# Altium PCB micro-ltc-pvt1g.PcbDoc (part 2 of 4)
Units mm, origin at the board's own origin, x right, y up, seen from the top; angles counter-clockwise.
Board outline 75.2 x 35.65 mm, 4 copper layers (Top, L2, L3, Bottom), stack 0.692 mm thick; 80 components, 47 nets, 716 pads, 100 vias.
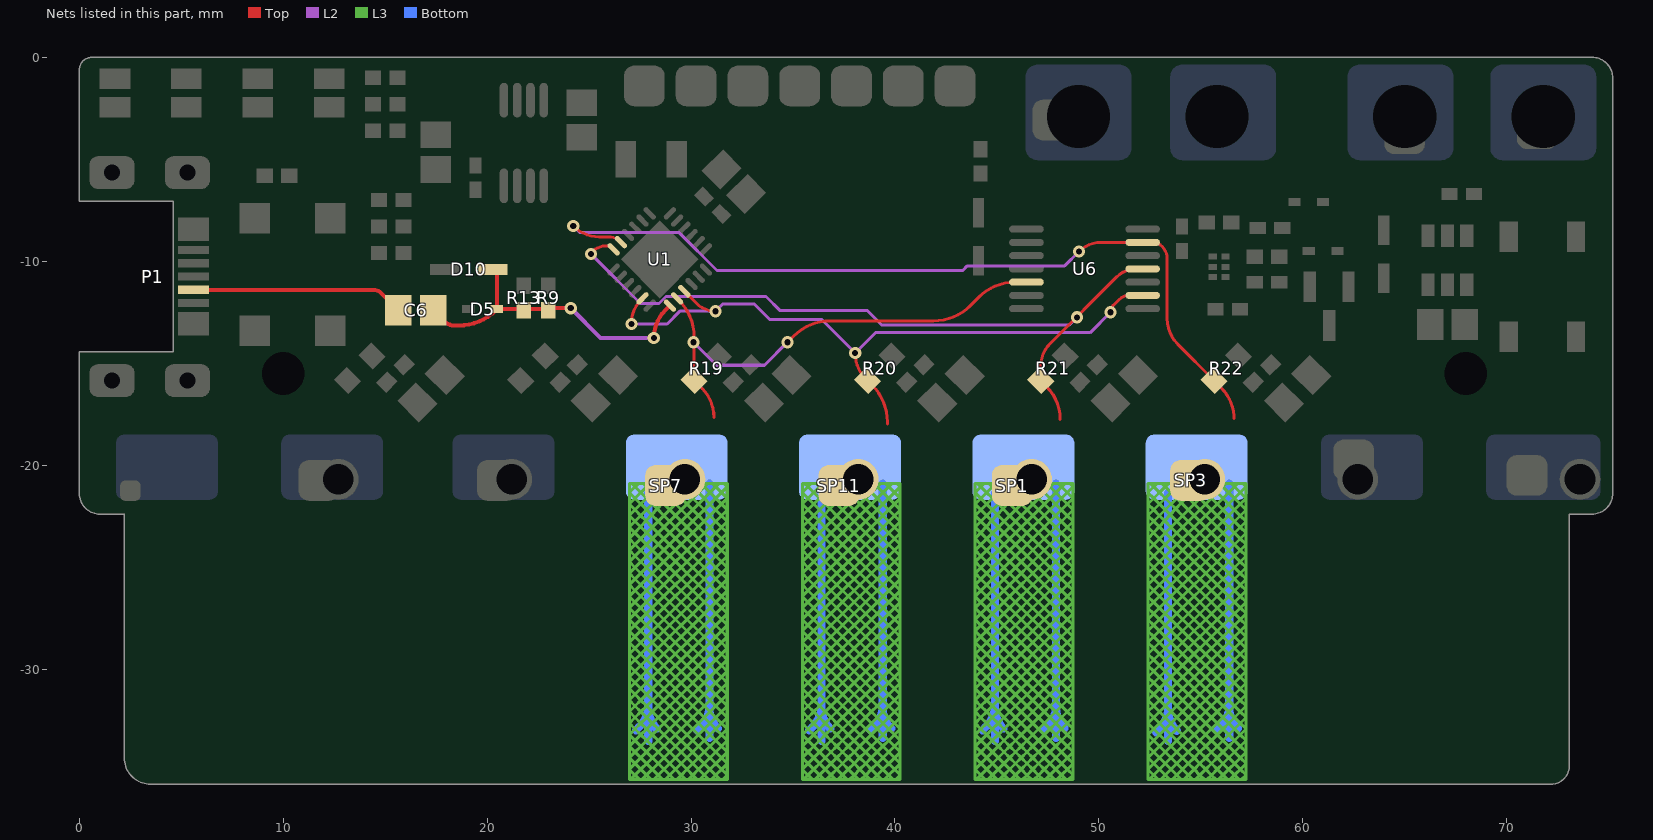
[diagram p4: the nets of this part, all layers, seen from the top]

## Via types
v1: diameter 0.6, hole 0.3, Top to Bottom, tented both sides, 82 vias
v2: diameter 1, hole 0.5, Top to Bottom, tented both sides, 14 vias
v3: diameter 0.5, hole 0.25, Top to Bottom, 4 vias

## Nets (pads, with @x,y where several pads share a name; then routed paths per layer and width w, separated by ;. In a path a pad name is that pad's centre, name@x,y a point inside that pad or via, vN(x,y) a via of type N, cw(c..) or ccw(c..) an arc to the next point about the centre after c; other vN are vias at no path point) (continued)
ANA2: pad.0@29.3,-20.1 pad.0@29.7,-20.7 R19.1 SP7.1 U1.20 U6.5 | length 448.4
  Top w0.15: U1.20@29.317,-11.822 29.405,-11.91 cw(c27.609,-13.706) 30.149,-13.706 R19.1@30.149,-15.851 30.543,-16.245 ; 30.544,-16.246 cw(c29.138,-17.65) 31.125,-17.65 ; v1(34.725,-13.975) 35.031,-13.669 ; 35.031,-13.669 cw(c36.827,-15.465) 36.827,-12.925 41.898,-12.925 ccw(c41.898,-10.385) 43.694,-12.181 44.106,-11.769 cw(c45.902,-13.565) 45.902,-11.025 U6.5@46.45,-11.025
  L2 w0.15: v1(30.125,-13.975) 31.25,-15.1 33.6,-15.1 v1(34.725,-13.975)
  L3 w0.15: 26.977,-34.924 27.463,-35.41 ; 26.977,-34.915 28.104,-33.788 ; 26.977,-34.358 28.028,-35.41 ; 26.977,-34.349 27.821,-33.505 ; 26.977,-33.792 28.594,-35.41 ; 26.977,-33.784 27.538,-33.222 ; 26.977,-33.227 29.16,-35.41 ; 26.977,-33.218 27.255,-32.939 ; 26.977,-32.661 27.255,-32.939 ; 26.977,-32.652 27.255,-32.374 ; 26.977,-32.095 27.255,-32.374 ; 26.977,-32.087 27.255,-31.808 ; 26.977,-31.53 27.255,-31.808 ; 26.977,-31.521 27.255,-31.242 ; 26.977,-30.955 31.777,-26.155 ; 26.977,-30.398 27.255,-30.677 31.498,-34.919 31.777,-35.198 ; 26.977,-30.39 31.777,-25.59 ; 26.977,-29.833 27.255,-30.111 31.498,-34.354 31.777,-34.633 ; 26.977,-29.824 31.777,-25.024 ; 26.977,-29.267 27.255,-29.545 31.498,-33.788 31.777,-34.067 ; 26.977,-29.258 31.777,-24.458 ; 26.977,-28.701 27.255,-28.98 31.498,-33.222 31.777,-33.501 ; 26.977,-28.692 31.777,-23.892 ; 26.977,-28.135 27.255,-28.414 31.498,-32.657 31.777,-32.935 ; 26.977,-28.127 31.777,-23.327 ; 26.977,-27.57 27.255,-27.848 31.498,-32.091 31.777,-32.37 ; 26.977,-27.561 31.777,-22.761 ; 26.977,-27.004 27.255,-27.283 31.498,-31.525 31.777,-31.804 ; 26.977,-26.995 31.777,-22.195 ; 26.977,-26.438 27.255,-26.717 31.498,-30.96 31.777,-31.238 ; 26.977,-26.43 31.777,-21.63 ; 26.977,-25.873 27.255,-26.151 31.498,-30.394 31.777,-30.673 ; 26.977,-25.864 31.777,-21.064 ; 26.977,-25.307 27.255,-25.586 31.498,-29.828 31.777,-30.107 ; 26.977,-25.298 31.365,-20.91 ; 26.977,-24.741 27.255,-25.02 31.498,-29.262 31.777,-29.541 ; 26.977,-24.733 30.8,-20.91 ; 26.977,-24.176 27.255,-24.454 31.498,-28.697 31.777,-28.976 ; 26.977,-24.167 pad.0@30.234,-20.91 ; 26.977,-23.61 27.255,-23.889 31.498,-28.131 31.777,-28.41 ; 26.977,-23.601 27.246,-23.313 ; 26.977,-23.044 27.246,-23.313 ; 26.977,-23.036 pad.0@29.102,-20.91 ; 26.977,-22.479 27.255,-22.757 27.519,-23.021 ; 26.977,-22.47 28.537,-20.91 ; 26.977,-21.913 27.255,-22.191 27.538,-22.474 27.792,-22.728 ; 26.977,-21.904 27.971,-20.91 ; 26.977,-21.347 27.255,-21.626 27.821,-22.191 28.065,-22.436 ; 26.977,-21.339 27.405,-20.91 ; 27.047,-35.41 28.386,-34.071 ; 27.613,-35.41 28.669,-34.354 ; 28.179,-35.41 28.952,-34.636 ; 28.745,-35.41 29.235,-34.919 ; 29.31,-35.41 29.518,-35.202 ; pad.0@29.677,-20.71 pad.0@29.49,-20.91 ; 29.725,-35.41 29.518,-35.202 ; 29.876,-35.41 30.083,-35.202 ; 30.291,-35.41 30.083,-35.202 ; 30.442,-35.41 31.777,-34.075 ; 30.857,-35.41 30.366,-34.919 ; 31.007,-35.41 31.777,-34.64 ; 31.573,-35.41 31.777,-35.206 ; 31.777,-33.509 30.649,-34.636 ; 31.777,-32.943 30.366,-34.354 ; 31.777,-32.378 30.083,-34.071 ; 31.777,-31.812 29.801,-33.788 ; 31.777,-31.246 29.518,-33.505 ; 31.777,-30.681 29.235,-33.222 ; 31.777,-30.115 28.952,-32.939 ; 31.777,-29.549 28.669,-32.657 ; 31.777,-28.984 28.386,-32.374 ; 31.777,-28.418 28.104,-32.091 ; 31.777,-27.852 27.821,-31.808 ; 31.777,-27.844 31.498,-27.565 27.538,-23.606 27.246,-23.313 ; 31.777,-27.287 27.538,-31.525 ; 31.777,-27.279 31.498,-27 27.821,-23.323 27.519,-23.021 ; 31.777,-26.721 27.255,-31.242 ; 31.777,-26.713 31.498,-26.434 28.104,-23.04 27.792,-22.728 ; 31.777,-26.147 31.498,-25.868 28.386,-22.757 28.065,-22.436 ; 31.777,-25.582 31.498,-25.303 28.669,-22.474 28.338,-22.143 ; 31.777,-25.016 31.498,-24.737 28.952,-22.191 28.611,-21.851 ; 31.777,-24.45 31.498,-24.171 29.235,-21.909 28.884,-21.558 ; 31.777,-23.885 31.498,-23.606 29.518,-21.626 pad.0@29.158,-21.266 ; 31.777,-23.319 31.498,-23.04 29.801,-21.343 pad.0@29.431,-20.973 ; 31.777,-22.753 31.498,-22.474 30.084,-21.06 pad.0@29.933,-20.91 ; 31.777,-22.187 pad.0@30.499,-20.91 ; 31.777,-21.622 31.065,-20.91 ; 31.777,-21.056 31.63,-20.91 ; 27.105,-20.91 27.255,-21.06 28.104,-21.909 28.338,-22.143 ; 27.105,-20.91 27.405,-20.91 ; 27.105,-20.91 26.977,-20.91 26.977,-35.41 31.777,-35.41 31.777,-20.91 31.63,-20.91 ; 27.246,-23.313 27.519,-23.021 ; 27.255,-32.939 27.538,-33.222 ; 27.255,-32.939 27.538,-32.657 ; 27.255,-32.374 27.538,-32.657 ; 27.255,-32.374 27.538,-32.091 ; 27.255,-31.808 27.538,-32.091 ; 27.255,-31.808 27.538,-31.525 ; 27.255,-31.242 31.215,-35.202 31.422,-35.41 30.649,-34.636 ; 27.255,-31.242 26.977,-30.964 27.255,-31.242 ; 27.255,-31.242 27.538,-31.525 ; 27.405,-20.91 27.67,-20.91 ; 27.519,-23.021 27.792,-22.728 ; 27.538,-33.222 27.821,-32.939 ; 27.538,-33.222 27.821,-33.505 ; 27.538,-32.657 27.821,-32.939 ; 27.538,-32.657 27.821,-32.374 ; 27.538,-32.091 27.821,-32.374 ; 27.538,-32.091 27.821,-31.808 ; 27.538,-31.525 27.821,-31.808 ; 27.67,-20.91 27.821,-21.06 28.386,-21.626 28.611,-21.851 ; 27.67,-20.91 27.971,-20.91 ; 27.792,-22.728 28.065,-22.436 ; 27.821,-33.505 28.104,-33.222 ; 27.821,-33.505 28.104,-33.788 ; 27.821,-32.939 28.104,-32.657 ; 27.821,-32.939 28.104,-33.222 ; 27.821,-32.374 28.104,-32.657 ; 27.821,-32.374 28.104,-32.091 ; 27.821,-31.808 28.104,-32.091 ; 27.971,-20.91 28.236,-20.91 ; 28.065,-22.436 28.338,-22.143 ; 28.104,-33.788 28.386,-33.505 ; 28.104,-33.788 28.386,-34.071 ; 28.104,-33.222 28.386,-32.939 ; 28.104,-33.222 28.386,-33.505 ; 28.104,-32.657 28.386,-32.374 ; 28.104,-32.657 28.386,-32.939 ; 28.104,-32.091 28.386,-32.374 ; 28.236,-20.91 28.386,-21.06 28.669,-21.343 28.884,-21.558 ; 28.236,-20.91 28.537,-20.91 ; 28.338,-22.143 28.611,-21.851 ; 28.386,-34.071 28.669,-33.788 ; 28.386,-34.071 28.669,-34.354 ; 28.386,-33.505 28.669,-33.222 ; 28.386,-33.505 28.669,-33.788 ; 28.386,-32.939 28.669,-32.657 ; 28.386,-32.939 28.669,-33.222 ; 28.386,-32.374 28.669,-32.657 ; 28.537,-20.91 pad.0@28.802,-20.91 ; 28.611,-21.851 28.884,-21.558 ; 28.669,-34.354 28.952,-34.071 ; 28.669,-34.354 28.952,-34.636 ; 28.669,-33.788 28.952,-33.505 ; 28.669,-33.788 28.952,-34.071 ; 28.669,-33.222 28.952,-32.939 ; 28.669,-33.222 28.952,-33.505 ; 28.669,-32.657 28.952,-32.939 ; pad.0@28.802,-20.91 28.952,-21.06 29.146,-21.254 pad.0@29.158,-21.266 ; pad.0@28.802,-20.91 pad.0@29.102,-20.91 ; 28.884,-21.558 pad.0@29.158,-21.266 ; 28.952,-34.636 29.235,-34.354 ; 28.952,-34.636 29.235,-34.919 ; 28.952,-34.071 29.235,-33.788 ; 28.952,-34.071 29.235,-34.354 ; 28.952,-33.505 29.235,-33.222 ; 28.952,-33.505 29.235,-33.788 ; 28.952,-32.939 29.235,-33.222 ; pad.0@29.102,-20.91 pad.0@29.367,-20.91 ; pad.0@29.158,-21.266 pad.0@29.431,-20.973 ; 29.235,-34.919 29.518,-34.636 ; 29.235,-34.919 29.518,-35.202 ; 29.235,-34.354 29.518,-34.071 ; 29.235,-34.354 29.518,-34.636 ; 29.235,-33.788 29.518,-33.505 ; 29.235,-33.788 29.518,-34.071 ; 29.235,-33.222 29.518,-33.505 ; pad.0@29.367,-20.91 pad.0@29.431,-20.973 ; pad.0@29.367,-20.91 pad.0@29.49,-20.91 ; pad.0@29.431,-20.973 pad.0@29.49,-20.91 ; pad.0@29.49,-20.91 pad.0@29.933,-20.91 ; 29.518,-35.202 29.801,-34.919 ; 29.518,-34.636 29.801,-34.354 ; 29.518,-34.636 29.801,-34.919 ; 29.518,-34.071 29.801,-33.788 ; 29.518,-34.071 29.801,-34.354 ; 29.518,-33.505 29.801,-33.788 ; 29.801,-34.919 30.083,-34.636 ; 29.801,-34.919 30.083,-35.202 ; 29.801,-34.354 30.083,-34.071 ; 29.801,-34.354 30.083,-34.636 ; 29.801,-33.788 30.083,-34.071 ; pad.0@29.933,-20.91 pad.0@30.234,-20.91 ; 30.083,-35.202 30.366,-34.919 ; 30.083,-34.636 30.366,-34.354 ; 30.083,-34.636 30.366,-34.919 ; 30.083,-34.071 30.366,-34.354 ; pad.0@30.234,-20.91 pad.0@30.499,-20.91 ; 30.366,-34.919 30.649,-34.636 ; 30.366,-34.354 30.649,-34.636 ; pad.0@30.499,-20.91 30.8,-20.91 ; 30.8,-20.91 31.065,-20.91 ; 31.065,-20.91 31.365,-20.91 ; 31.365,-20.91 31.63,-20.91
  Bottom w0.4: 27.3,-33 27.476,-32.824 ccw(c26.451,-31.8) 27.9,-31.8 ; 27.9,-33.525 pad.0@27.9,-21.364 ; 27.9,-31.9 ccw(c29.349,-31.9) 28.324,-32.924 ; pad.0@28.564,-20.7 pad.0@29.7,-20.7 ; 30.3,-33 30.476,-32.824 ccw(c29.451,-31.8) 30.9,-31.8 ; 30.9,-33.375 pad.0@30.9,-20.9 ; 30.9,-31.9 ccw(c32.349,-31.9) 31.324,-32.924
ANA3: pad.0@37.8,-20.1 pad.0@38.2,-20.7 R20.1 SP11.1 U1.17 U1.21 U6.9 | length 458.8
  Top w0.15: v1(27.075,-13.074) cw(c28.822,-13.074) 27.587,-11.838 U1.17@27.6,-11.825 ; U1.21@29.67,-11.468 30.264,-12.062 ccw(c31.2,-11.127) v1(31.2,-12.45) ; v1(38.05,-14.5) ccw(c39.866,-14.5) R20.1@38.581,-15.783 ; R20.1@38.582,-15.784 R20.1@38.649,-15.851 38.881,-16.083 cw(c37.085,-17.879) 39.625,-17.879 39.625,-17.975 ; v1(50.575,-12.5) cw(c51.058,-12.5) 50.716,-12.159 51,-11.875 cw(c51.483,-12.358) 51.483,-11.675 U6.9@52.15,-11.675
  L2 w0.15: v1(27.075,-13.074) 28.826,-13.074 29.45,-12.45 v1(31.2,-12.45) 31.55,-12.1 33.1,-12.1 33.85,-12.85 36.4,-12.85 v1(38.05,-14.5) 39.05,-13.5 49.575,-13.5 v1(50.575,-12.5)
  L3 w0.15: 35.456,-34.924 35.942,-35.41 ; 35.456,-34.915 36.583,-33.788 ; 35.456,-34.358 36.508,-35.41 ; 35.456,-34.349 36.3,-33.505 ; 35.456,-33.792 37.073,-35.41 ; 35.456,-33.784 36.017,-33.222 ; 35.456,-33.227 37.639,-35.41 ; 35.456,-33.218 35.734,-32.939 ; 35.456,-32.661 35.734,-32.939 ; 35.456,-32.652 35.734,-32.374 ; 35.456,-32.095 35.734,-32.374 ; 35.456,-32.087 35.734,-31.808 ; 35.456,-31.53 35.734,-31.808 ; 35.456,-31.521 35.734,-31.242 ; 35.456,-30.955 40.256,-26.155 ; 35.456,-30.398 35.734,-30.677 39.977,-34.919 40.256,-35.198 ; 35.456,-30.39 40.256,-25.59 ; 35.456,-29.833 35.734,-30.111 39.977,-34.354 40.256,-34.633 ; 35.456,-29.824 40.256,-25.024 ; 35.456,-29.267 35.734,-29.545 39.977,-33.788 40.256,-34.067 ; 35.456,-29.258 40.256,-24.458 ; 35.456,-28.701 35.734,-28.98 39.977,-33.222 40.256,-33.501 ; 35.456,-28.692 40.256,-23.892 ; 35.456,-28.135 35.734,-28.414 39.977,-32.657 40.256,-32.935 ; 35.456,-28.127 40.256,-23.327 ; 35.456,-27.57 35.734,-27.848 39.977,-32.091 40.256,-32.37 ; 35.456,-27.561 40.256,-22.761 ; 35.456,-27.004 35.734,-27.283 39.977,-31.525 40.256,-31.804 ; 35.456,-26.995 40.256,-22.195 ; 35.456,-26.438 35.734,-26.717 39.977,-30.96 40.256,-31.238 ; 35.456,-26.43 40.256,-21.63 ; 35.456,-25.873 35.734,-26.151 39.977,-30.394 40.256,-30.673 ; 35.456,-25.864 40.256,-21.064 ; 35.456,-25.307 35.734,-25.586 39.977,-29.828 40.256,-30.107 ; 35.456,-25.298 39.845,-20.91 ; 35.456,-24.741 35.734,-25.02 39.977,-29.262 40.256,-29.541 ; 35.456,-24.733 39.279,-20.91 ; 35.456,-24.176 35.734,-24.454 39.977,-28.697 40.256,-28.976 ; 35.456,-24.167 pad.0@38.713,-20.91 ; 35.456,-23.61 35.734,-23.889 39.977,-28.131 40.256,-28.41 ; 35.456,-23.601 35.725,-23.313 ; 35.456,-23.044 35.725,-23.313 ; 35.456,-23.036 pad.0@37.582,-20.91 ; 35.456,-22.479 35.734,-22.757 35.998,-23.021 ; 35.456,-22.47 37.016,-20.91 ; 35.456,-21.913 35.734,-22.191 36.017,-22.474 36.271,-22.728 ; 35.456,-21.904 36.45,-20.91 ; 35.456,-21.347 35.734,-21.626 36.3,-22.191 36.544,-22.436 ; 35.456,-21.339 35.885,-20.91 ; 35.527,-35.41 36.866,-34.071 ; 36.093,-35.41 37.149,-34.354 ; 36.658,-35.41 37.432,-34.636 ; 37.224,-35.41 37.714,-34.919 ; 37.79,-35.41 37.997,-35.202 ; pad.0@38.156,-20.71 pad.0@37.969,-20.91 ; 38.205,-35.41 37.997,-35.202 ; 38.355,-35.41 38.563,-35.202 ; 38.77,-35.41 38.563,-35.202 ; 38.921,-35.41 40.256,-34.075 ; 39.336,-35.41 38.846,-34.919 ; 39.487,-35.41 40.256,-34.64 ; 40.052,-35.41 40.256,-35.206 ; 40.256,-33.509 39.129,-34.636 ; 40.256,-32.943 38.846,-34.354 ; 40.256,-32.378 38.563,-34.071 ; 40.256,-31.812 38.28,-33.788 ; 40.256,-31.246 37.997,-33.505 ; 40.256,-30.681 37.714,-33.222 ; 40.256,-30.115 37.432,-32.939 ; 40.256,-29.549 37.149,-32.657 ; 40.256,-28.984 36.866,-32.374 ; 40.256,-28.418 36.583,-32.091 ; 40.256,-27.852 36.3,-31.808 ; 40.256,-27.844 39.977,-27.565 36.017,-23.606 35.725,-23.313 ; 40.256,-27.287 36.017,-31.525 ; 40.256,-27.279 39.977,-27 36.3,-23.323 35.998,-23.021 ; 40.256,-26.721 35.734,-31.242 ; 40.256,-26.713 39.977,-26.434 36.583,-23.04 36.271,-22.728 ; 40.256,-26.147 39.977,-25.868 36.866,-22.757 36.544,-22.436 ; 40.256,-25.582 39.977,-25.303 37.149,-22.474 36.818,-22.143 ; 40.256,-25.016 39.977,-24.737 37.432,-22.191 37.091,-21.851 ; 40.256,-24.45 39.977,-24.171 37.714,-21.909 37.364,-21.558 ; 40.256,-23.885 39.977,-23.606 37.997,-21.626 pad.0@37.637,-21.266 ; 40.256,-23.319 39.977,-23.04 38.28,-21.343 37.919,-20.981 pad.0@37.91,-20.973 ; 40.256,-22.753 39.977,-22.474 38.563,-21.06 pad.0@38.413,-20.91 ; 40.256,-22.187 pad.0@38.978,-20.91 ; 40.256,-21.622 39.544,-20.91 ; 40.256,-21.056 40.11,-20.91 ; 35.584,-20.91 35.734,-21.06 36.583,-21.909 36.818,-22.143 ; 35.584,-20.91 35.885,-20.91 ; 35.584,-20.91 35.456,-20.91 35.456,-35.41 40.256,-35.41 40.256,-20.91 40.11,-20.91 ; 35.725,-23.313 35.998,-23.021 ; 35.734,-32.939 36.017,-33.222 ; 35.734,-32.939 36.017,-32.657 ; 35.734,-32.374 36.017,-32.657 ; 35.734,-32.374 36.017,-32.091 ; 35.734,-31.808 36.017,-32.091 ; 35.734,-31.808 36.017,-31.525 ; 35.734,-31.242 39.694,-35.202 39.902,-35.41 39.129,-34.636 ; 35.734,-31.242 35.456,-30.964 35.734,-31.242 ; 35.734,-31.242 36.017,-31.525 ; 35.885,-20.91 36.15,-20.91 ; 35.998,-23.021 36.271,-22.728 ; 36.017,-33.222 36.3,-32.939 ; 36.017,-33.222 36.3,-33.505 ; 36.017,-32.657 36.3,-32.939 ; 36.017,-32.657 36.3,-32.374 ; 36.017,-32.091 36.3,-32.374 ; 36.017,-32.091 36.3,-31.808 ; 36.017,-31.525 36.3,-31.808 ; 36.15,-20.91 36.3,-21.06 36.866,-21.626 37.091,-21.851 ; 36.15,-20.91 36.45,-20.91 ; 36.271,-22.728 36.544,-22.436 ; 36.3,-33.505 36.583,-33.222 ; 36.3,-33.505 36.583,-33.788 ; 36.3,-32.939 36.583,-32.657 ; 36.3,-32.939 36.583,-33.222 ; 36.3,-32.374 36.583,-32.657 ; 36.3,-32.374 36.583,-32.091 ; 36.3,-31.808 36.583,-32.091 ; 36.45,-20.91 36.716,-20.91 ; 36.544,-22.436 36.818,-22.143 ; 36.583,-33.788 36.866,-33.505 ; 36.583,-33.788 36.866,-34.071 ; 36.583,-33.222 36.866,-32.939 ; 36.583,-33.222 36.866,-33.505 ; 36.583,-32.657 36.866,-32.374 ; 36.583,-32.657 36.866,-32.939 ; 36.583,-32.091 36.866,-32.374 ; 36.716,-20.91 36.866,-21.06 37.149,-21.343 37.364,-21.558 ; 36.716,-20.91 37.016,-20.91 ; 36.818,-22.143 37.091,-21.851 ; 36.866,-34.071 37.149,-33.788 ; 36.866,-34.071 37.149,-34.354 ; 36.866,-33.505 37.149,-33.222 ; 36.866,-33.505 37.149,-33.788 ; 36.866,-32.939 37.149,-32.657 ; 36.866,-32.939 37.149,-33.222 ; 36.866,-32.374 37.149,-32.657 ; 37.016,-20.91 pad.0@37.281,-20.91 ; 37.091,-21.851 37.364,-21.558 ; 37.149,-34.354 37.432,-34.071 ; 37.149,-34.354 37.432,-34.636 ; 37.149,-33.788 37.432,-33.505 ; 37.149,-33.788 37.432,-34.071 ; 37.149,-33.222 37.432,-32.939 ; 37.149,-33.222 37.432,-33.505 ; 37.149,-32.657 37.432,-32.939 ; pad.0@37.281,-20.91 37.432,-21.06 37.636,-21.264 pad.0@37.637,-21.266 ; pad.0@37.281,-20.91 pad.0@37.582,-20.91 ; 37.364,-21.558 pad.0@37.637,-21.266 ; 37.432,-34.636 37.714,-34.354 ; 37.432,-34.636 37.714,-34.919 ; 37.432,-34.071 37.714,-33.788 ; 37.432,-34.071 37.714,-34.354 ; 37.432,-33.505 37.714,-33.222 ; 37.432,-33.505 37.714,-33.788 ; 37.432,-32.939 37.714,-33.222 ; pad.0@37.582,-20.91 pad.0@37.847,-20.91 ; pad.0@37.637,-21.266 pad.0@37.91,-20.973 ; 37.714,-34.919 37.997,-34.636 ; 37.714,-34.919 37.997,-35.202 ; 37.714,-34.354 37.997,-34.071 ; 37.714,-34.354 37.997,-34.636 ; 37.714,-33.788 37.997,-33.505 ; 37.714,-33.788 37.997,-34.071 ; 37.714,-33.222 37.997,-33.505 ; pad.0@37.847,-20.91 pad.0@37.91,-20.973 ; pad.0@37.847,-20.91 pad.0@37.969,-20.91 ; pad.0@37.91,-20.973 pad.0@37.969,-20.91 ; pad.0@37.969,-20.91 pad.0@38.413,-20.91 ; 37.997,-35.202 38.28,-34.919 ; 37.997,-34.636 38.28,-34.354 ; 37.997,-34.636 38.28,-34.919 ; 37.997,-34.071 38.28,-33.788 ; 37.997,-34.071 38.28,-34.354 ; 37.997,-33.505 38.28,-33.788 ; 38.28,-34.919 38.563,-34.636 ; 38.28,-34.919 38.563,-35.202 ; 38.28,-34.354 38.563,-34.071 ; 38.28,-34.354 38.563,-34.636 ; 38.28,-33.788 38.563,-34.071 ; pad.0@38.413,-20.91 pad.0@38.713,-20.91 ; 38.563,-35.202 38.846,-34.919 ; 38.563,-34.636 38.846,-34.354 ; 38.563,-34.636 38.846,-34.919 ; 38.563,-34.071 38.846,-34.354 ; pad.0@38.713,-20.91 pad.0@38.978,-20.91 ; 38.846,-34.919 39.129,-34.636 ; 38.846,-34.354 39.129,-34.636 ; pad.0@38.978,-20.91 39.279,-20.91 ; 39.279,-20.91 39.544,-20.91 ; 39.544,-20.91 39.845,-20.91 ; 39.845,-20.91 40.11,-20.91
  Bottom w0.4: 35.8,-33 35.976,-32.824 ccw(c34.951,-31.8) 36.4,-31.8 ; 36.4,-33.525 pad.0@36.4,-21.364 ; 36.4,-31.9 ccw(c37.849,-31.9) 36.824,-32.924 ; pad.0@37.064,-20.7 pad.0@38.2,-20.7 ; 38.8,-33 38.976,-32.824 ccw(c37.951,-31.8) 39.4,-31.8 ; 39.4,-33.375 pad.0@39.4,-20.9 ; 39.4,-31.9 ccw(c40.849,-31.9) 39.824,-32.924
AUDIO: C6.2 D5.1 D10.1 R9.2 R13.1 U1.19 | length 15.5
  Top w0.2: C6.2@17.35,-12.4 17.894,-12.944 ccw(c18.391,-12.448) 18.391,-13.15 18.623,-13.15 ccw(c18.623,-10.61) D5.1@20.419,-12.406 ; D10.1@20.475,-10.6 D5.1@20.475,-12.35 D5.1@20.419,-12.406 ; R9.2@23,-12.4 22.95,-12.35 20.554,-12.35 ccw(c20.554,-12.541) D5.1@20.419,-12.406 ; R9.2@23.1,-12.3 v1(24.1,-12.3) ; v1(28.175,-13.763) cw(c30.105,-13.763) 28.74,-12.398 U1.19@28.963,-12.175
  L2 w0.2: v1(24.1,-12.3) 25.563,-13.763 v1(28.175,-13.763)
AUDIO_IN: C6.1 P1.4 | length 10.8
  Top w0.2: P1.4@5.6,-11.4 13.598,-11.4 14.403,-11.4 cw(c14.403,-11.997) 14.825,-11.575 C6.1@15.392,-12.142 ; C6.1@15.392,-12.142 cw(c13.598,-13.94) 15.394,-12.144 C6.1@15.65,-12.4 C6.1@15.392,-12.142
DIG0: pad.0@46.3,-20.1 pad.0@46.7,-20.7 R21.1 SP1.1 U1.12 U6.11 | length 460.8
  Top w0.15: v1@25.202,-9.498 cw(c25.801,-10.096) 25.801,-9.25 cw(c25.801,-9.822) U1.12@26.205,-9.417 ; 48.1,-17.75 ccw(c45.812,-17.75) 47.43,-16.132 R21.1@47.149,-15.851 47.149,-15.157 cw(c48.732,-15.157) 47.612,-14.038 50.885,-10.765 cw(c51.827,-11.707) 51.827,-10.375 U6.11@52.15,-10.375
  L2 w0.15: v1(25.1,-9.65) 27.525,-12.075 28.425,-12.075 28.775,-11.725 33.675,-11.725 34.375,-12.425 38.65,-12.425 39.35,-13.125 48.55,-13.125 v1(48.925,-12.75)
  L3 w0.15: 43.936,-34.924 44.422,-35.41 ; 43.936,-34.915 45.063,-33.788 ; 43.936,-34.358 44.988,-35.41 ; 43.936,-34.349 44.78,-33.505 ; 43.936,-33.792 45.553,-35.41 ; 43.936,-33.784 44.497,-33.222 ; 43.936,-33.227 46.119,-35.41 ; 43.936,-33.218 44.214,-32.939 ; 43.936,-32.661 44.214,-32.939 ; 43.936,-32.652 44.214,-32.374 ; 43.936,-32.095 44.214,-32.374 ; 43.936,-32.087 44.214,-31.808 ; 43.936,-31.53 44.214,-31.808 ; 43.936,-31.521 44.214,-31.242 ; 43.936,-30.955 48.736,-26.155 ; 43.936,-30.398 44.214,-30.677 48.457,-34.919 48.736,-35.198 ; 43.936,-30.39 48.736,-25.59 ; 43.936,-29.833 44.214,-30.111 48.457,-34.354 48.736,-34.633 ; 43.936,-29.824 48.736,-25.024 ; 43.936,-29.267 44.214,-29.545 48.457,-33.788 48.736,-34.067 ; 43.936,-29.258 48.736,-24.458 ; 43.936,-28.701 44.214,-28.98 48.457,-33.222 48.736,-33.501 ; 43.936,-28.692 48.736,-23.892 ; 43.936,-28.135 44.214,-28.414 48.457,-32.657 48.736,-32.935 ; 43.936,-28.127 48.736,-23.327 ; 43.936,-27.57 44.214,-27.848 48.457,-32.091 48.736,-32.37 ; 43.936,-27.561 48.736,-22.761 ; 43.936,-27.004 44.214,-27.283 48.457,-31.525 48.736,-31.804 ; 43.936,-26.995 48.736,-22.195 ; 43.936,-26.438 44.214,-26.717 48.457,-30.96 48.736,-31.238 ; 43.936,-26.43 48.736,-21.63 ; 43.936,-25.873 44.214,-26.151 48.457,-30.394 48.736,-30.673 ; 43.936,-25.864 48.736,-21.064 ; 43.936,-25.307 44.214,-25.586 48.457,-29.828 48.736,-30.107 ; 43.936,-25.298 48.324,-20.91 ; 43.936,-24.741 44.214,-25.02 48.457,-29.262 48.736,-29.541 ; 43.936,-24.733 47.759,-20.91 ; 43.936,-24.176 44.214,-24.454 48.457,-28.697 48.736,-28.976 ; 43.936,-24.167 pad.0@47.193,-20.91 ; 43.936,-23.61 44.214,-23.889 48.457,-28.131 48.736,-28.41 ; 43.936,-23.601 44.205,-23.313 ; 43.936,-23.044 44.205,-23.313 ; 43.936,-23.036 pad.0@46.062,-20.91 ; 43.936,-22.479 44.214,-22.757 44.478,-23.021 ; 43.936,-22.47 45.496,-20.91 ; 43.936,-21.913 44.214,-22.191 44.497,-22.474 44.751,-22.728 ; 43.936,-21.904 44.93,-20.91 ; 43.936,-21.347 44.214,-21.626 44.78,-22.191 45.024,-22.436 ; 43.936,-21.339 44.365,-20.91 ; 44.007,-35.41 45.346,-34.071 ; 44.572,-35.41 45.628,-34.354 ; 45.138,-35.41 45.911,-34.636 ; 45.704,-35.41 46.194,-34.919 ; 46.269,-35.41 46.477,-35.202 ; pad.0@46.636,-20.71 pad.0@46.449,-20.91 ; 46.685,-35.41 46.477,-35.202 ; 46.835,-35.41 47.043,-35.202 ; 47.25,-35.41 47.043,-35.202 ; 47.401,-35.41 48.736,-34.075 ; 47.816,-35.41 47.325,-34.919 ; 47.966,-35.41 48.736,-34.64 ; 48.532,-35.41 48.736,-35.206 ; 48.736,-33.509 47.608,-34.636 ; 48.736,-32.943 47.325,-34.354 ; 48.736,-32.378 47.043,-34.071 ; 48.736,-31.812 46.76,-33.788 ; 48.736,-31.246 46.477,-33.505 ; 48.736,-30.681 46.194,-33.222 ; 48.736,-30.115 45.911,-32.939 ; 48.736,-29.549 45.628,-32.657 ; 48.736,-28.984 45.346,-32.374 ; 48.736,-28.418 45.063,-32.091 ; 48.736,-27.852 44.78,-31.808 ; 48.736,-27.844 48.457,-27.565 44.497,-23.606 44.205,-23.313 ; 48.736,-27.287 44.497,-31.525 ; 48.736,-27.279 48.457,-27 44.78,-23.323 44.478,-23.021 ; 48.736,-26.721 44.214,-31.242 ; 48.736,-26.713 48.457,-26.434 45.063,-23.04 44.751,-22.728 ; 48.736,-26.147 48.457,-25.868 45.346,-22.757 45.024,-22.436 ; 48.736,-25.582 48.457,-25.303 45.628,-22.474 45.297,-22.143 ; 48.736,-25.016 48.457,-24.737 45.911,-22.191 45.57,-21.851 ; 48.736,-24.45 48.457,-24.171 46.194,-21.909 45.844,-21.558 ; 48.736,-23.885 48.457,-23.606 46.477,-21.626 46.126,-21.274 pad.0@46.117,-21.266 ; 48.736,-23.319 48.457,-23.04 46.76,-21.343 46.408,-20.992 pad.0@46.39,-20.973 ; 48.736,-22.753 48.457,-22.474 47.043,-21.06 pad.0@46.892,-20.91 ; 48.736,-22.187 pad.0@47.458,-20.91 ; 48.736,-21.622 48.024,-20.91 ; 48.736,-21.056 48.589,-20.91 ; 44.064,-20.91 44.214,-21.06 45.063,-21.909 45.297,-22.143 ; 44.064,-20.91 44.365,-20.91 ; 44.064,-20.91 43.936,-20.91 43.936,-35.41 48.736,-35.41 48.736,-20.91 48.589,-20.91 ; 44.205,-23.313 44.478,-23.021 ; 44.214,-32.939 44.497,-33.222 ; 44.214,-32.939 44.497,-32.657 ; 44.214,-32.374 44.497,-32.657 ; 44.214,-32.374 44.497,-32.091 ; 44.214,-31.808 44.497,-32.091 ; 44.214,-31.808 44.497,-31.525 ; 44.214,-31.242 48.174,-35.202 48.382,-35.41 47.608,-34.636 ; 44.214,-31.242 43.936,-30.964 44.214,-31.242 ; 44.214,-31.242 44.497,-31.525 ; 44.365,-20.91 44.63,-20.91 ; 44.478,-23.021 44.751,-22.728 ; 44.497,-33.222 44.78,-32.939 ; 44.497,-33.222 44.78,-33.505 ; 44.497,-32.657 44.78,-32.939 ; 44.497,-32.657 44.78,-32.374 ; 44.497,-32.091 44.78,-32.374 ; 44.497,-32.091 44.78,-31.808 ; 44.497,-31.525 44.78,-31.808 ; 44.63,-20.91 44.78,-21.06 45.346,-21.626 45.57,-21.851 ; 44.63,-20.91 44.93,-20.91 ; 44.751,-22.728 45.024,-22.436 ; 44.78,-33.505 45.063,-33.222 ; 44.78,-33.505 45.063,-33.788 ; 44.78,-32.939 45.063,-32.657 ; 44.78,-32.939 45.063,-33.222 ; 44.78,-32.374 45.063,-32.657 ; 44.78,-32.374 45.063,-32.091 ; 44.78,-31.808 45.063,-32.091 ; 44.93,-20.91 45.195,-20.91 ; 45.024,-22.436 45.297,-22.143 ; 45.063,-33.788 45.346,-33.505 ; 45.063,-33.788 45.346,-34.071 ; 45.063,-33.222 45.346,-32.939 ; 45.063,-33.222 45.346,-33.505 ; 45.063,-32.657 45.346,-32.374 ; 45.063,-32.657 45.346,-32.939 ; 45.063,-32.091 45.346,-32.374 ; 45.195,-20.91 45.346,-21.06 45.628,-21.343 45.844,-21.558 ; 45.195,-20.91 45.496,-20.91 ; 45.297,-22.143 45.57,-21.851 ; 45.346,-34.071 45.628,-33.788 ; 45.346,-34.071 45.628,-34.354 ; 45.346,-33.505 45.628,-33.222 ; 45.346,-33.505 45.628,-33.788 ; 45.346,-32.939 45.628,-32.657 ; 45.346,-32.939 45.628,-33.222 ; 45.346,-32.374 45.628,-32.657 ; 45.496,-20.91 pad.0@45.761,-20.91 ; 45.57,-21.851 45.844,-21.558 ; 45.628,-34.354 45.911,-34.071 ; 45.628,-34.354 45.911,-34.636 ; 45.628,-33.788 45.911,-33.505 ; 45.628,-33.788 45.911,-34.071 ; 45.628,-33.222 45.911,-32.939 ; 45.628,-33.222 45.911,-33.505 ; 45.628,-32.657 45.911,-32.939 ; pad.0@45.761,-20.91 45.911,-21.06 pad.0@46.117,-21.266 ; pad.0@45.761,-20.91 pad.0@46.062,-20.91 ; 45.844,-21.558 pad.0@46.117,-21.266 ; 45.911,-34.636 46.194,-34.354 ; 45.911,-34.636 46.194,-34.919 ; 45.911,-34.071 46.194,-33.788 ; 45.911,-34.071 46.194,-34.354 ; 45.911,-33.505 46.194,-33.222 ; 45.911,-33.505 46.194,-33.788 ; 45.911,-32.939 46.194,-33.222 ; pad.0@46.062,-20.91 pad.0@46.327,-20.91 ; pad.0@46.117,-21.266 pad.0@46.39,-20.973 ; 46.194,-34.919 46.477,-34.636 ; 46.194,-34.919 46.477,-35.202 ; 46.194,-34.354 46.477,-34.071 ; 46.194,-34.354 46.477,-34.636 ; 46.194,-33.788 46.477,-33.505 ; 46.194,-33.788 46.477,-34.071 ; 46.194,-33.222 46.477,-33.505 ; pad.0@46.327,-20.91 pad.0@46.39,-20.973 ; pad.0@46.327,-20.91 pad.0@46.449,-20.91 ; pad.0@46.39,-20.973 pad.0@46.449,-20.91 ; pad.0@46.449,-20.91 pad.0@46.892,-20.91 ; 46.477,-35.202 46.76,-34.919 ; 46.477,-34.636 46.76,-34.354 ; 46.477,-34.636 46.76,-34.919 ; 46.477,-34.071 46.76,-33.788 ; 46.477,-34.071 46.76,-34.354 ; 46.477,-33.505 46.76,-33.788 ; 46.76,-34.919 47.043,-34.636 ; 46.76,-34.919 47.043,-35.202 ; 46.76,-34.354 47.043,-34.071 ; 46.76,-34.354 47.043,-34.636 ; 46.76,-33.788 47.043,-34.071 ; pad.0@46.892,-20.91 pad.0@47.193,-20.91 ; 47.043,-35.202 47.325,-34.919 ; 47.043,-34.636 47.325,-34.354 ; 47.043,-34.636 47.325,-34.919 ; 47.043,-34.071 47.325,-34.354 ; pad.0@47.193,-20.91 pad.0@47.458,-20.91 ; 47.325,-34.919 47.608,-34.636 ; 47.325,-34.354 47.608,-34.636 ; pad.0@47.458,-20.91 47.759,-20.91 ; 47.759,-20.91 48.024,-20.91 ; 48.024,-20.91 48.324,-20.91 ; 48.324,-20.91 48.589,-20.91
  Bottom w0.4: 44.3,-33 44.476,-32.824 ccw(c43.451,-31.8) 44.9,-31.8 ; 44.9,-33.525 pad.0@44.9,-21.364 ; 44.9,-31.9 ccw(c46.349,-31.9) 45.324,-32.924 ; pad.0@45.564,-20.7 pad.0@46.7,-20.7 ; 47.3,-33 47.476,-32.824 ccw(c46.451,-31.8) 47.9,-31.8 ; 47.9,-33.375 pad.0@47.9,-20.9 ; 47.9,-31.9 ccw(c49.349,-31.9) 48.324,-32.924
DIG1: pad.0@54.8,-20.1 pad.0@55.2,-20.7 R22.1 SP3.1 U1.11 U6.13 | length 466.4
  Top w0.15: v1(24.225,-8.275) ccw(c25.492,-7.008) 25.492,-8.8 25.921,-8.8 cw(c25.921,-9.702) U1.11@26.559,-9.064 ; v1(49.025,-9.525) cw(c50.111,-10.611) 50.111,-9.075 U6.13@52.15,-9.075 52.617,-9.075 cw(c52.617,-9.758) 53.1,-9.275 cw(c52.496,-9.879) 53.35,-9.879 53.35,-12.825 ccw(c55.105,-12.825) 53.864,-14.066 ; 53.864,-14.066 R22.1@55.649,-15.851 56.008,-16.21 cw(c54.518,-17.7) 56.6,-17.376 cw(c54.518,-17.7) 56.625,-17.7
  L2 w0.15: v1(24.225,-8.275) 24.55,-8.6 29.425,-8.6 31.275,-10.45 43.325,-10.45 43.55,-10.225 48.325,-10.225 v1(49.025,-9.525)
  L3 w0.15: 52.415,-34.924 52.901,-35.41 ; 52.415,-34.915 53.542,-33.788 ; 52.415,-34.358 53.467,-35.41 ; 52.415,-34.349 53.259,-33.505 ; 52.415,-33.792 54.033,-35.41 ; 52.415,-33.784 52.977,-33.222 ; 52.415,-33.227 54.598,-35.41 ; 52.415,-33.218 52.694,-32.939 ; 52.415,-32.661 52.694,-32.939 ; 52.415,-32.652 52.694,-32.374 ; 52.415,-32.095 52.694,-32.374 ; 52.415,-32.087 52.694,-31.808 ; 52.415,-31.53 52.694,-31.808 ; 52.415,-31.521 52.694,-31.242 ; 52.415,-30.955 57.215,-26.155 ; 52.415,-30.398 52.694,-30.677 56.936,-34.919 57.215,-35.198 ; 52.415,-30.39 57.215,-25.59 ; 52.415,-29.833 52.694,-30.111 56.936,-34.354 57.215,-34.633 ; 52.415,-29.824 57.215,-25.024 ; 52.415,-29.267 52.694,-29.545 56.936,-33.788 57.215,-34.067 ; 52.415,-29.258 57.215,-24.458 ; 52.415,-28.701 52.694,-28.98 56.936,-33.222 57.215,-33.501 ; 52.415,-28.692 57.215,-23.892 ; 52.415,-28.135 52.694,-28.414 56.936,-32.657 57.215,-32.935 ; 52.415,-28.127 57.215,-23.327 ; 52.415,-27.57 52.694,-27.848 56.936,-32.091 57.215,-32.37 ; 52.415,-27.561 57.215,-22.761 ; 52.415,-27.004 52.694,-27.283 56.936,-31.525 57.215,-31.804 ; 52.415,-26.995 57.215,-22.195 ; 52.415,-26.438 52.694,-26.717 56.936,-30.96 57.215,-31.238 ; 52.415,-26.43 57.215,-21.63 ; 52.415,-25.873 52.694,-26.151 56.936,-30.394 57.215,-30.673 ; 52.415,-25.864 57.215,-21.064 ; 52.415,-25.307 52.694,-25.586 56.936,-29.828 57.215,-30.107 ; 52.415,-25.298 56.804,-20.91 ; 52.415,-24.741 52.694,-25.02 56.936,-29.262 57.215,-29.541 ; 52.415,-24.733 56.238,-20.91 ; 52.415,-24.176 52.694,-24.454 56.936,-28.697 57.215,-28.976 ; 52.415,-24.167 pad.0@55.672,-20.91 ; 52.415,-23.61 52.694,-23.889 56.936,-28.131 57.215,-28.41 ; 52.415,-23.601 52.684,-23.313 ; 52.415,-23.044 52.684,-23.313 ; 52.415,-23.036 pad.0@54.541,-20.91 ; 52.415,-22.479 52.694,-22.757 52.957,-23.021 ; 52.415,-22.47 53.975,-20.91 ; 52.415,-21.913 52.694,-22.191 52.977,-22.474 53.23,-22.728 ; 52.415,-21.904 53.41,-20.91 ; 52.415,-21.347 52.694,-21.626 53.259,-22.191 53.504,-22.436 ; 52.415,-21.339 52.844,-20.91 ; 52.486,-35.41 53.825,-34.071 ; 53.052,-35.41 54.108,-34.354 ; 53.617,-35.41 54.391,-34.636 ; 54.183,-35.41 54.674,-34.919 ; 54.749,-35.41 54.956,-35.202 ; pad.0@55.115,-20.71 pad.0@54.928,-20.91 ; 55.164,-35.41 54.956,-35.202 ; 55.315,-35.41 55.522,-35.202 ; 55.73,-35.41 55.522,-35.202 ; 55.88,-35.41 57.215,-34.075 ; 56.295,-35.41 55.805,-34.919 ; 56.446,-35.41 57.215,-34.64 ; 57.012,-35.41 57.215,-35.206 ; 57.215,-33.509 56.088,-34.636 ; 57.215,-32.943 55.805,-34.354 ; 57.215,-32.378 55.522,-34.071 ; 57.215,-31.812 55.239,-33.788 ; 57.215,-31.246 54.956,-33.505 ; 57.215,-30.681 54.674,-33.222 ; 57.215,-30.115 54.391,-32.939 ; 57.215,-29.549 54.108,-32.657 ; 57.215,-28.984 53.825,-32.374 ; 57.215,-28.418 53.542,-32.091 ; 57.215,-27.852 53.259,-31.808 ; 57.215,-27.844 56.936,-27.565 52.977,-23.606 52.684,-23.313 ; 57.215,-27.287 52.977,-31.525 ; 57.215,-27.279 56.936,-27 53.259,-23.323 52.957,-23.021 ; 57.215,-26.721 52.694,-31.242 ; 57.215,-26.713 56.936,-26.434 53.542,-23.04 53.23,-22.728 ; 57.215,-26.147 56.936,-25.868 53.825,-22.757 53.504,-22.436 ; 57.215,-25.582 56.936,-25.303 54.108,-22.474 53.777,-22.143 ; 57.215,-25.016 56.936,-24.737 54.391,-22.191 54.05,-21.851 ; 57.215,-24.45 56.936,-24.171 54.674,-21.909 54.323,-21.558 ; 57.215,-23.885 56.936,-23.606 54.956,-21.626 54.615,-21.285 pad.0@54.596,-21.266 ; 57.215,-23.319 56.936,-23.04 55.239,-21.343 54.898,-21.002 pad.0@54.869,-20.973 ; 57.215,-22.753 56.936,-22.474 55.522,-21.06 pad.0@55.372,-20.91 ; 57.215,-22.187 pad.0@55.937,-20.91 ; 57.215,-21.622 56.503,-20.91 ; 57.215,-21.056 57.069,-20.91 ; 52.543,-20.91 52.694,-21.06 53.542,-21.909 53.777,-22.143 ; 52.543,-20.91 52.844,-20.91 ; 52.543,-20.91 52.415,-20.91 52.415,-35.41 57.215,-35.41 57.215,-20.91 57.069,-20.91 ; 52.684,-23.313 52.957,-23.021 ; 52.694,-32.939 52.977,-33.222 ; 52.694,-32.939 52.977,-32.657 ; 52.694,-32.374 52.977,-32.657 ; 52.694,-32.374 52.977,-32.091 ; 52.694,-31.808 52.977,-32.091 ; 52.694,-31.808 52.977,-31.525 ; 52.694,-31.242 56.653,-35.202 56.861,-35.41 56.088,-34.636 ; 52.694,-31.242 52.415,-30.964 52.694,-31.242 ; 52.694,-31.242 52.977,-31.525 ; 52.844,-20.91 53.109,-20.91 ; 52.957,-23.021 53.23,-22.728 ; 52.977,-33.222 53.259,-32.939 ; 52.977,-33.222 53.259,-33.505 ; 52.977,-32.657 53.259,-32.939 ; 52.977,-32.657 53.259,-32.374 ; 52.977,-32.091 53.259,-32.374 ; 52.977,-32.091 53.259,-31.808 ; 52.977,-31.525 53.259,-31.808 ; 53.109,-20.91 53.259,-21.06 53.825,-21.626 54.05,-21.851 ; 53.109,-20.91 53.41,-20.91 ; 53.23,-22.728 53.504,-22.436 ; 53.259,-33.505 53.542,-33.222 ; 53.259,-33.505 53.542,-33.788 ; 53.259,-32.939 53.542,-32.657 ; 53.259,-32.939 53.542,-33.222 ; 53.259,-32.374 53.542,-32.657 ; 53.259,-32.374 53.542,-32.091 ; 53.259,-31.808 53.542,-32.091 ; 53.41,-20.91 53.675,-20.91 ; 53.504,-22.436 53.777,-22.143 ; 53.542,-33.788 53.825,-33.505 ; 53.542,-33.788 53.825,-34.071 ; 53.542,-33.222 53.825,-32.939 ; 53.542,-33.222 53.825,-33.505 ; 53.542,-32.657 53.825,-32.374 ; 53.542,-32.657 53.825,-32.939 ; 53.542,-32.091 53.825,-32.374 ; 53.675,-20.91 53.825,-21.06 54.108,-21.343 54.323,-21.558 ; 53.675,-20.91 53.975,-20.91 ; 53.777,-22.143 54.05,-21.851 ; 53.825,-34.071 54.108,-33.788 ; 53.825,-34.071 54.108,-34.354 ; 53.825,-33.505 54.108,-33.222 ; 53.825,-33.505 54.108,-33.788 ; 53.825,-32.939 54.108,-32.657 ; 53.825,-32.939 54.108,-33.222 ; 53.825,-32.374 54.108,-32.657 ; 53.975,-20.91 pad.0@54.24,-20.91 ; 54.05,-21.851 54.323,-21.558 ; 54.108,-34.354 54.391,-34.071 ; 54.108,-34.354 54.391,-34.636 ; 54.108,-33.788 54.391,-33.505 ; 54.108,-33.788 54.391,-34.071 ; 54.108,-33.222 54.391,-32.939 ; 54.108,-33.222 54.391,-33.505 ; 54.108,-32.657 54.391,-32.939 ; pad.0@54.24,-20.91 54.391,-21.06 pad.0@54.596,-21.266 ; pad.0@54.24,-20.91 pad.0@54.541,-20.91 ; 54.323,-21.558 pad.0@54.596,-21.266 ; 54.391,-34.636 54.674,-34.354 ; 54.391,-34.636 54.674,-34.919 ; 54.391,-34.071 54.674,-33.788 ; 54.391,-34.071 54.674,-34.354 ; 54.391,-33.505 54.674,-33.222 ; 54.391,-33.505 54.674,-33.788 ; 54.391,-32.939 54.674,-33.222 ; pad.0@54.541,-20.91 pad.0@54.806,-20.91 ; pad.0@54.596,-21.266 pad.0@54.869,-20.973 ; 54.674,-34.919 54.956,-34.636 ; 54.674,-34.919 54.956,-35.202 ; 54.674,-34.354 54.956,-34.071 ; 54.674,-34.354 54.956,-34.636 ; 54.674,-33.788 54.956,-33.505 ; 54.674,-33.788 54.956,-34.071 ; 54.674,-33.222 54.956,-33.505 ; pad.0@54.806,-20.91 pad.0@54.869,-20.973 ; pad.0@54.806,-20.91 pad.0@54.928,-20.91 ; pad.0@54.869,-20.973 pad.0@54.928,-20.91 ; pad.0@54.928,-20.91 pad.0@55.372,-20.91 ; 54.956,-35.202 55.239,-34.919 ; 54.956,-34.636 55.239,-34.354 ; 54.956,-34.636 55.239,-34.919 ; 54.956,-34.071 55.239,-33.788 ; 54.956,-34.071 55.239,-34.354 ; 54.956,-33.505 55.239,-33.788 ; 55.239,-34.919 55.522,-34.636 ; 55.239,-34.919 55.522,-35.202 ; 55.239,-34.354 55.522,-34.071 ; 55.239,-34.354 55.522,-34.636 ; 55.239,-33.788 55.522,-34.071 ; pad.0@55.372,-20.91 pad.0@55.672,-20.91 ; 55.522,-35.202 55.805,-34.919 ; 55.522,-34.636 55.805,-34.354 ; 55.522,-34.636 55.805,-34.919 ; 55.522,-34.071 55.805,-34.354 ; pad.0@55.672,-20.91 pad.0@55.937,-20.91 ; 55.805,-34.919 56.088,-34.636 ; 55.805,-34.354 56.088,-34.636 ; pad.0@55.937,-20.91 56.238,-20.91 ; 56.238,-20.91 56.503,-20.91 ; 56.503,-20.91 56.804,-20.91 ; 56.804,-20.91 57.069,-20.91
  Bottom w0.4: 52.8,-33.1 52.976,-32.924 ccw(c51.951,-31.9) 53.4,-31.9 ; 53.4,-33.525 pad.0@53.4,-21.364 ; 53.4,-32 ccw(c54.849,-32) 53.824,-33.024 ; pad.0@54.064,-20.7 pad.0@55.2,-20.7 ; 55.8,-33 55.976,-32.824 ccw(c54.951,-31.8) 56.4,-31.8 ; 56.4,-33.375 pad.0@56.4,-20.9 ; 56.4,-31.9 ccw(c57.849,-31.9) 56.824,-32.924